# Altium PCB TinyHawk_PCB.PcbDoc (part 5 of 6) (continued)
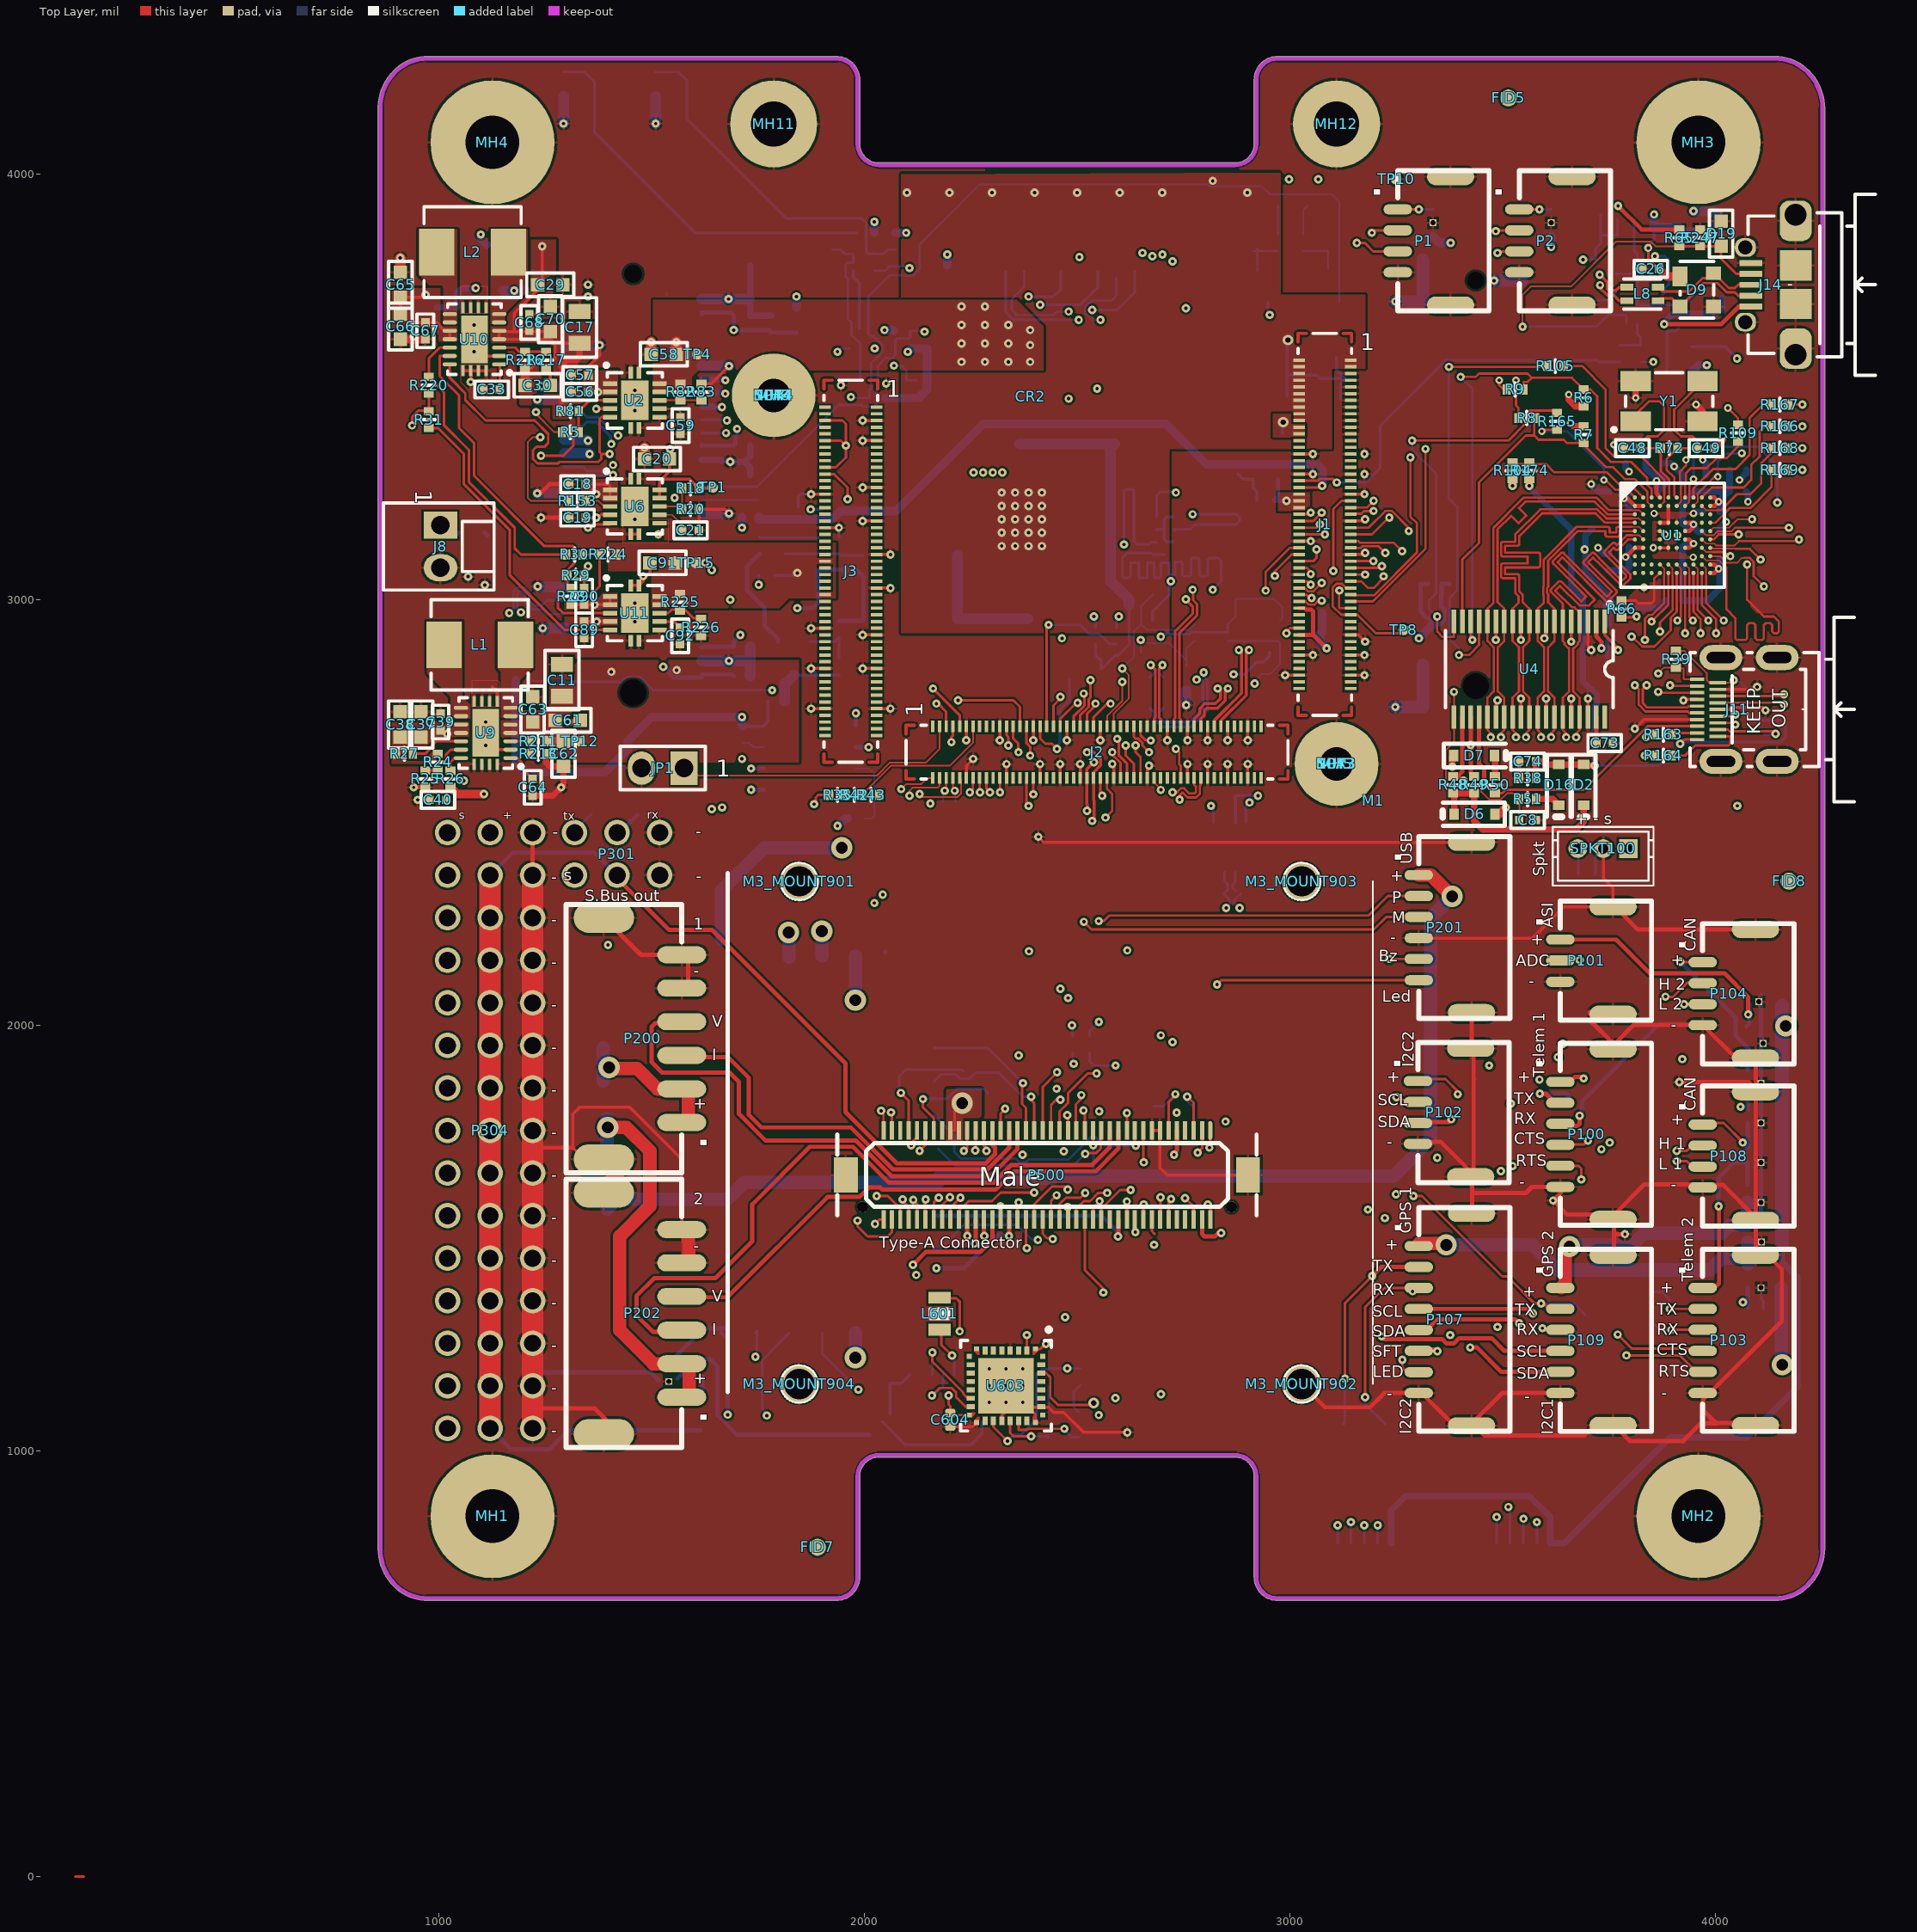
[diagram p0: Top Layer view]
## Nets (pads, with @x,y where several pads share a name; then routed paths per layer and width w, separated by ;. In a path a pad name is that pad's centre, name@x,y a point inside that pad or via, vN(x,y) a via of type N, cw(c..) or ccw(c..) an arc to the next point about the centre after c; other vN are vias at no path point) (continued)
VID_IN_CSI0_D19: J1.74 U1.J4 | length 1719
  Top Layer w3.94: U1.J4@3870.08,3082.68 3879.92,3072.83 3879.92,3057.09
  Top Layer w5.4: J1.74@3021.65,2996.06 3037.07,2996.06 3044.74,2988.39 3057.62,2988.39 3066.94,2997.71 v1(3074.8,2997.71) ; v1(3834.65,2905.51) 3834.65,2947.55 3834.85,2947.76 3834.85,2955.26 3843.96,2964.36 3851.45,2964.36 3879.92,2992.83 3879.92,3057.09
  Signal Layer 2 w5.4: v1(3074.8,2997.71) 3065.48,2988.39 3039.58,2988.39 3027.56,2976.38 3027.56,2960.63 3023.62,2956.69 3011.81,2956.69 3007.87,2960.63 3007.87,2992.13 3019.68,3003.94 3019.68,3015.75 3008.99,3026.45 3000,3026.45 2989.3,3015.75 2989.3,2949.47 2997.83,2940.94 3003.53,2940.94 3007.67,2936.8 3007.67,2905.31 3000,2897.64 2992.13,2897.64 2988.63,2894.14 2988.63,2885.38 2992.13,2881.89 3003.94,2881.89 3007.67,2878.16 3007.67,2865.94 3003.94,2862.2 2992.13,2862.2 2992.13,2861.76 2988.63,2858.27 2988.63,2849.74 3007.67,2830.71 3007.67,2819.55 2989.09,2800.97 2989.09,2771.65 2997.86,2762.89 3218.11,2762.89 3234.76,2779.53 3273.78,2779.53 3362.75,2868.5 3362.75,2887.97 3375.59,2900.82 3411.85,2900.82 3431.12,2881.54 3692.91,2881.54 3693.11,2881.74 3693.11,2888.32 3706.16,2901.37 3774.15,2901.37 3783.12,2892.4 3822.83,2892.4 3822.83,2893.7 v1(3834.65,2905.51)
VID_IN_CSI0_DE: J1.75 U1.E10 | length 1568.4
  Top Layer w3.94: U1.E10@3988.19,3161.42 3996.06,3169.29 4032.4,3169.29 4052.08,3188.98 v1(4086.61,3188.98)
  Top Layer w5.4: v1(3116.23,3021.74) 3115.84,3021.35 3115.84,2981.98 3117.51,2980.32 J1.75@3142.91,2980.32
  Signal Layer 2 w5.4: v1(3116.23,3021.74) 3116.23,3031.7 3086.82,3061.11 3086.82,3073.98 3143.51,3130.67 3617.36,3130.67 3645.67,3102.36 3770.75,3102.36 3783.34,3114.95 3795.4,3114.95 3797.04,3113.31 3834.65,3113.31 3865.28,3082.68 3891.57,3082.68 3942.01,3032.24 4092.94,3032.24 4107.74,3047.04 4137.59,3047.04 4173.23,3082.68 4173.23,3106.3 4090.55,3188.98 v1(4086.61,3188.98)
VID_IN_CSI0_HS: J1.47 U1.F9 | length 1740.6
  Top Layer w3.94: U1.F9@3968.5,3141.73 3978.35,3131.89 3998.03,3131.89 4001.09,3128.83
  Top Layer w3.97: 4001.09,3128.83 4002.52,3127.4 4045.6,3127.4 4056,3137.8
  Top Layer w5.4: J1.47@3142.91,3200.79 3144.06,3201.94 3168.14,3201.94 3174.34,3208.14 3196.33,3208.14 v1(3196.85,3208.66) ; 4056,3137.8 4056.2,3138 4193.12,3138 v1(4196.84,3141.73)
  Signal Layer 2 w5.4: v1(3196.85,3208.66) 3248.03,3259.84 3259.84,3259.84 3271.65,3248.03 3271.65,3236.22 3276.34,3231.53 3294.52,3231.53 3299.21,3236.22 3299.21,3263.78 3303.7,3268.26 3314.41,3268.26 3318.9,3263.78 3318.9,3236.22 3323.59,3231.53 3342.52,3231.53 3346.46,3235.47 3346.46,3263.78 3350.39,3267.72 3366.14,3267.72 3370.08,3263.78 3370.08,3236.22 3374.77,3231.53 3385.07,3231.53 3389.76,3236.22 3389.76,3263.78 3394.25,3268.26 3412.84,3268.26 3417.32,3263.78 3417.32,3236.22 3422.01,3231.53 3436.25,3231.53 3440.94,3236.22 3440.94,3263.78 3444.88,3267.72 3460.63,3267.72 3464.57,3263.78 3464.57,3235.47 3468.5,3231.53 3479.56,3231.53 3484.25,3236.22 3484.25,3264.33 3488.19,3268.26 3499.45,3268.26 3503.94,3263.78 3503.94,3235.47 3507.87,3231.53 3523.62,3231.53 3523.62,3244.09 3527.56,3248.03 3539.37,3248.03 3543.31,3244.09 3543.31,3231.53 3702.34,3231.53 3706.48,3235.67 3755.59,3235.67 3779.76,3259.84 3827.99,3259.84 3840.12,3247.71 3961.85,3247.71 3993.81,3215.76 4087.39,3215.76 4161.42,3141.73 v1(4196.84,3141.73)
VID_IN_CSI0_INT: J1.73 R109.1 | length 1265.8
  Top Layer w5.4: J1.73@3142.91,2996.06 3195.28,2996.06 3318.9,3119.68 v1(3318.9,3354.33) ; v2(4029.53,3450.79) 4053.15,3427.17 R109.1@4053.15,3411.42
  Signal Layer 2 w5.4: v1(3318.9,3354.33) 3334.65,3354.33 3362.2,3381.89 3585.71,3381.89 3586.49,3381.11 3960.49,3381.11 v2@4029.53,3450.15
  Signal Layer 1 w5.4: v2(4029.53,3450.79) v2@4032.27,3448.04
VID_IN_CSI0_INT_R: R109.2 U1.A7 | length 218.4
  Top Layer w5.4: U1.A7@3929.13,3240.16 3929.13,3275.59 3931.1,3277.56 3931.1,3297.24 3942.91,3309.06 3979.34,3309.06 4002.96,3332.68 4026.57,3332.68 4053.15,3359.25 R109.2@4053.15,3372.05
VID_IN_CSI0_PIXCLK: J1.43 R66.1 | length 1474.6
  Top Layer w5.4: v1(3102.36,3067.54) 3102.36,3213.27 3121.38,3232.28 J1.43@3142.91,3232.28 ; R66.1@3779.53,2958.66 3805.12,2958.66
  Signal Layer 2 w5.4: v1(3102.36,3067.54) 3131.77,3038.14 3131.77,3015.3 3120.95,3004.48 3120.95,2978.89 3055.12,2913.06 3055.12,2895.34 3080.95,2869.51 3140.13,2869.51 3156.25,2885.62 3182.03,2885.62 3190.42,2877.23 3196.85,2877.23 3248.75,2929.13 3259.84,2929.13 3267.72,2921.26 3267.72,2916.61 3200.79,2849.68 3200.79,2843.23 3209.38,2834.65 3214.72,2834.65 3287.6,2907.52 3287.6,2915.88 3296.71,2924.99 3332.79,2924.99 3354.22,2946.42 3405.07,2946.42 3414.04,2955.39 3809.72,2955.39 v1(3814.96,2960.63)
VID_IN_CSI0_PIXCLK_R: R66.2 U1.K4 | length 152.3
  Top Layer w5.4: R66.2@3779.53,2998.03 3812.99,2998.03 3818.9,2992.13 3850.39,2992.13 3856.3,2998.03 3856.3,3049.21 U1.K4@3870.08,3062.99
VID_IN_CSI0_RSTN: J1.71 U1.B6 | length 1226.1
  Top Layer w3.94: U1.B6@3909.45,3220.47 3919.29,3230.31 3919.29,3246.06
  Top Layer w5.4: J1.71@3142.91,3011.81 3144.15,3010.58 3197.91,3010.58 3299.01,3111.67 3299.01,3179.67 3283.46,3195.21 v1(3283.46,3334.65) ; 3919.29,3246.06 3919.29,3270.7 3917.32,3272.67 3917.32,3301.44 3931.1,3315.22 v2(3931.1,3328.74)
  Signal Layer 2 w5.4: v1(3283.46,3334.65) 3336.46,3334.65 3368.5,3366.69 3579.41,3366.69 3580.19,3365.91 3744.09,3365.91 3747.25,3362.75 3747.25,3358.14 3755.78,3349.61 3910.23,3349.61 v2(3931.1,3328.74)
VID_IN_CSI0_VS: J1.45 U1.E9 | length 1745.7
  Top Layer w3.94: U1.E9@3968.5,3161.42 3977.89,3152.03 3996.52,3152.03 4005.2,3160.71 4037.78,3160.71 4046.36,3169.29
  Top Layer w5.4: J1.45@3142.91,3216.54 3181.1,3216.54 v1(3196.85,3232.28) ; 4046.36,3169.29 v1(4173.23,3169.29)
  Signal Layer 2 w5.4: v1(3196.85,3232.28) 3248.03,3283.46 3267.72,3283.46 3267.72,3275.59 3271.65,3271.65 3283.46,3271.65 3287.4,3275.59 3287.4,3314.96 3291.34,3318.9 3318.9,3318.9 3322.83,3314.96 3322.83,3283.46 3342.52,3283.46 3342.52,3318.9 3346.46,3322.83 3370.08,3322.83 3374.92,3317.99 3374.92,3286.5 3377.95,3283.46 3387.95,3283.46 3393.7,3289.21 3393.7,3322.83 3409.45,3322.83 3413.39,3318.9 3413.39,3283.46 3433.07,3283.46 3437.01,3287.4 3437.01,3318.9 3440.94,3322.83 3460.63,3322.83 3464.57,3318.9 3464.57,3287.4 3468.5,3283.46 3484.25,3283.46 3484.25,3318.9 3488.19,3322.83 3500,3322.83 3503.94,3318.9 3503.94,3283.46 3519.68,3283.46 3519.68,3295.28 3523.62,3299.21 3535.43,3299.21 3539.37,3295.28 3539.37,3283.46 3569.56,3283.46 3606.3,3246.73 3696.04,3246.73 3700.19,3250.87 3749.29,3250.87 3774.01,3275.59 3833.74,3275.59 3846.42,3262.91 4079.61,3262.91 v1(4173.23,3169.29)
VIN_CTRL: Q7.4 Q10.3 R301.2 | length 186.6
  Bottom Layer w6: Q10.3@1812.99,3108.27 R301.2@1940.94,3108.27 1944.68,3104.53 Q7.4@1998.03,3104.53
VINA_3V3: C33.1 U10.1 | length 59.9
  Top Layer w6: U10.1@1141.73,3553.15 1143.7,3551.18 C33.1@1143.7,3494.09
VINA_5V: C64.1 U9.1 | length 80.4
  Top Layer w6: U9.1@1168.31,2627.95 1184.72,2627.95 1194.57,2618.11 1194.57,2604.65 C64.1@1220.47,2578.74
pads on no net: FID1.1 FID2.1 FID3.1 FID4.1 FID5.1 FID6.1 FID7.1 FID8.1 J1.25 J1.26 J1.27 J1.28 J1.31 J1.32 J1.33 J1.34 J1.37 J1.39 J1.91 J1.93 J1.97 J1.98 J1.99 J1.100 J2.1 J2.20 J2.91 J2.93 J2.97 J2.99 J3.13 J3.15 J3.17 J3.18 J3.21 J3.23 J3.24 J3.26 J3.27 J3.29 J3.30 J3.31 J3.32 J3.33 J3.34 J3.36 J3.37 J3.39 J3.40 J3.41 J3.42 J3.43 J3.44 J3.46 J3.47 J3.49 J3.51 J3.53 J3.57 J3.59 J3.61 J3.63 J3.65 J3.67 J3.81 J3.82 J3.83 J3.84 J3.85 J3.86 J3.87 J3.88 J3.89 J3.90 J3.93 J3.94 J3.95 J3.96 J3.97 J3.98 J3.99 J3.100 J13.3 J13.5 J13.7 J13.8 J13.10 J13.12 J13.14 J13.16 J13.17 J13.19 J13.42 J13.44 J13.45 J13.46 J13.47 J13.55 J13.56 J20.7 J20.8 JP400.1 JP401.1 P500.26 P500.65 P500.hole-1 P500.hole-2 PSM200.NC Q6.1 Q6.2 Q6.6 Q8.3 Q8.4 Q8.5 S600.A2 S600.B4 S601.A2 S601.B4 U1.C9 U1.C10 U1.D9 U1.H1 U1.H2 U1.J1 U1.J2 U1.J3 U1.K1 U1.K2 U1.K3 U4.38 U603.3 U603.5 U603.6 U603.7 U603.8 U603.9 U603.10 U603.11 U603.12 U603.13 U603.18 U603.23 U603.25 U603.27 U603.28 U603.29 U603.31 U603.32 USB600.GND5 USB600.GND6 USB600.ID
copper on no net: | length 19.7
  Top Layer w6: 145.67,0 165.35,0

## Polygon pours and split planes (outlines as drawn)
GND on Signal Layer 1 "NONET_L04_P162" (solid, remove dead copper, shelved, pour order 162): 817.59,4417.32 4326.77,4417.32 4326.77,618.11 789.23,618.11 789.23,1394
+5V on Signal Layer 1 "+5V_L04_P072" (solid, remove dead copper, pour order 72): 681.1,3901.57 1456.69,3901.57 1500,3858.27 1500,2704.72 1366.14,2570.87 1303.15,2507.87 641.73,2507.87 641.73,3901.57
+3V3_MPCIE on Signal Layer 1 "+3V3_MPCIE_L04_P076" (solid, remove dead copper, pour order 76): 1519.68,3321.57 1520.95,3322.83 1590.55,3322.83 1590.55,2818.9 1519.68,2818.9
+1V5_MPCIE on Signal Layer 1 "+1V5_MPCIE_L04_P078" (solid, remove dead copper, pour order 78): 1657.48,3677.17 1838.58,3677.17 1838.58,3114.17 1787.4,3062.99 1787.4,2905.51 1787.4,2901.57 1775.59,2889.76 1661.42,2889.76 1661.42,3677.17
+2V5 on Signal Layer 1 "+2V5_L04_P080" (solid, remove dead copper, pour order 80): 1787.4,3062.99 1787.4,2901.57 1944.88,2901.57 1940.94,2905.51 1940.94,3271.65 1866.14,3271.65 1866.14,3141.73 1787.4,3062.99
+3V3 on Signal Layer 1 "+3V3_L04_P082" (solid, remove dead copper, pour order 82): 3511.81,2535.43 3200.79,2535.43 3200.79,2889.76 3322.83,3011.81 3326.77,3015.75 3507.87,3015.75
GND on Signal Layer 2 "NONET_L03_P164" (solid, remove dead copper, shelved, pour order 164): 803.63,4425.2 4334.65,4425.2 4334.65,590.55 794.53,590.55
VDD_5V_IN_PROT on Top Layer "VDD_5V_IN_PROT_L01_P154" (solid, remove dead copper, pour order 154): 2232.28,1728.35 2231.58,1729.05 2231.58,1782 2270.19,1782 2275.59,1787.4 2275.59,1850.39 2188.98,1850.39 2192.91,1846.46 2192.91,1728.35
+VIN on Top Layer "+VIN_L01_P150" (solid, remove dead copper, pour order 150): 1421.26,3015.75 1421.26,2937.01 1295.28,2937.01 1295.28,3000 1299.21,3003.94 1374.02,3003.94 1385.83,3015.75 1421.26,3015.75
+VIN on Top Layer "+VIN_L01_P148" (solid, remove dead copper, pour order 148): 1334.65,3181.1 1334.65,3283.46 1421.26,3283.46 1421.26,3181.1
L1_3V3 on Top Layer "L1_3V3_L01_P146" (solid, remove dead copper, pour order 146): 952.76,3870.08 1039.37,3870.08 1043.31,3870.08 1043.31,3641.73 1015.75,3641.73 1003.94,3653.54 1003.94,3732.28 984.25,3732.28 952.76,3763.78
L2_3V3 on Top Layer "L2_3V3_L01_P144" (solid, remove dead copper, pour order 144): 1122.05,3870.08 1122.05,3645.67 1157.48,3645.67 1161.42,3649.61 1161.42,3669.29 1161.42,3677.17 1208.66,3724.41 1208.66,3870.08
GND on Top Layer "GND_L01_P142" (solid, remove dead copper, pour order 142): 1051.18,3673.23 1114.17,3673.23 1114.17,3736.22 1051.18,3736.22
GND on Top Layer "GND_L01_P140" (solid, remove dead copper, pour order 140): 1114.17,3551.18 1051.18,3551.18 1051.18,3511.81 1082.68,3480.32 1114.17,3480.32
+3V3 on Top Layer "+3V3_L01_P138" (solid, remove dead copper, pour order 138): 1216.54,3846.46 1216.54,3724.41 1161.42,3669.29 1161.42,3618.11 1200.79,3618.11 1200.79,3657.48 1200.79,3681.1 1275.59,3755.91 1275.59,3846.46
+VIN on Top Layer "+VIN_L01_P136" (solid, remove dead copper, pour order 136): 889.76,3732.28 889.76,3637.8 984.25,3637.8 988.19,3633.86 1000,3622.05 1000,3606.3 1043.31,3606.3 1043.31,3641.73 1015.75,3641.73 1011.81,3645.67 1003.94,3653.54 1003.94,3732.28
GND on Top Layer "GND_L01_P134" (solid, remove dead copper, pour order 134): 1200.79,3681.1 1200.79,3657.48 1255.91,3657.48 1358.27,3657.48 1362.2,3661.42 1366.14,3665.35 1366.14,3759.84 1267.72,3759.84 1251.97,3744.09 1251.97,3720.47 1240.16,3720.47 1208.66,3688.98
+3V3 on Top Layer "+3V3_L01_P132" (solid, remove dead copper, pour order 132): 1122.05,3637.8 1122.05,3606.3 1125.98,3602.36 1263.78,3602.36 1263.78,3570.87 1188.98,3570.87 1188.98,3460.63 1192.91,3456.69 1267.72,3456.69 1267.72,3425.2 1303.15,3425.2 1303.15,3547.24 1307.09,3551.18 1342.52,3551.18 1362.2,3570.87 1366.14,3574.8 1366.14,3653.54 1177.17,3653.54 1165.35,3641.73 1122.05,3641.73
GND on Top Layer "GND_L01_P130" (solid, remove dead copper, pour order 130): 1007.87,2716.54 1007.87,2783.46 893.7,2783.46 893.7,2716.54
GND on Top Layer "GND_L01_P128" (solid, remove dead copper, pour order 128): 1078.74,2625.98 1141.73,2625.98 1141.73,2582.68 1311.02,2582.68 1311.02,2535.43 1125.98,2535.43 1122.05,2535.43 1122.05,2539.37 1122.05,2562.99 1078.74,2562.99
GND on Top Layer "GND_L01_P126" (solid, remove dead copper, pour order 126): 1141.73,2748.03 1078.74,2748.03 1078.74,2811.02 1137.8,2811.02 1141.73,2807.09 1141.73,2775.59
L2_5V on Top Layer "L2_5V_L01_P122" (solid, remove dead copper, pour order 122): 1145.67,2720.47 1192.91,2720.47 1192.91,2811.02 1220.47,2838.58 1220.47,2948.82 1137.8,2948.82 1137.8,2838.58 1145.67,2830.71
L1_5V on Top Layer "L1_5V_L01_P124" (solid, remove dead copper, pour order 124): 1055.12,2948.82 1055.12,2771.65 1074.8,2751.97 1074.8,2720.47 1027.56,2720.47 1027.56,2767.72 1027.56,2771.65 972.44,2826.77 972.44,2948.82
+VIN on Top Layer "+VIN_L01_P090" (solid, remove dead copper, pour order 90): 1070.87,2712.6 1070.87,2677.17 988.19,2677.17 988.19,2673.23 976.38,2661.42 972.44,2657.48 925.2,2657.48 925.2,2621.44 926.33,2620.31 962.98,2620.31 988.19,2645.67 1007.87,2645.67 1007.87,2629.92 1000,2629.92 984.25,2614.17 889.76,2614.17 889.76,2712.6
GND on Top Layer "GND_L01_P094" (solid, remove dead copper, pour order 94): 1429.13,2922.2 1429.13,2871.71 1427.5,2870.08 1334.65,2870.08 1334.65,2862.2 1330.71,2858.27 1311.02,2838.58 1311.02,2805.74 1270.94,2767.01 1195.5,2767.01 1195.5,2805.74 1220.47,2830.71 1224.41,2834.65 1236.22,2834.65 1236.22,2921.26 1236.22,2948.82 1263.78,2948.82 1291.34,2921.26
GND on Top Layer "GND_L01_P098" (solid, remove dead copper, pour order 98): 1633.86,2933.07 1633.86,2866.14 1629.92,2870.08 1429.13,2870.08 1429.13,2925.2 1496.06,2925.2 1496.06,2933.07
GND on Top Layer "GND_L01_P102" (solid, remove dead copper, pour order 102): 1539.37,3188.98 1539.37,3133.86 1433.07,3133.86 1433.07,3188.98
GND on Top Layer "GND_L01_P106" (solid, remove dead copper, pour order 106): 1500,3437.01 1543.31,3437.01 1551.18,3429.13 1551.18,3409.45 1582.68,3409.45 1582.68,3370.08 1523.62,3370.08 1503.94,3350.39 1503.94,3271.65 1429.13,3271.65 1429.13,3425.2 1440.94,3437.01
GND on Top Layer "GND_L01_P104" (solid, remove dead copper, pour order 104): 1440.94,3519.68 1519.68,3519.68 1519.68,3622.05 1440.94,3622.05
+VIN on Top Layer "+VIN_L01_P100" (solid, remove dead copper, pour order 100): 1421.26,3480.32 1421.26,3539.37 1338.58,3539.37 1338.58,3480.32
+2V5 on Top Layer "+2V5_L01_P112" (solid, remove dead copper, pour order 112): 1397.64,3133.86 1397.64,3066.93 1500,3066.93 1500,2980.32 1799.21,2980.32 1822.83,3003.94 1933.07,3003.94 1933.07,3133.86
GND on Top Layer "GND_L01_P166" (solid, remove dead copper, pour order 166): 834,4338.58 4267.72,4338.58 4267.72,606.3 846.6,606.3
GND on Top Layer "GND_L01_P002" (solid, remove dead copper, pour order 2): 3856.3,3206.69 3915.35,3206.69 3946.85,3206.69 3950.79,3206.69 3950.79,3194.88 3923.23,3194.88 3915.35,3187.01 3915.35,3116.14 3923.23,3108.27 3950.79,3108.27 3950.79,3096.46 3919.29,3096.46 3856.3,3096.46 3852.36,3100.39 3852.36,3202.75
+5V on Top Layer "+5V_L01_P004" (solid, remove dead copper, pour order 4): 1196.85,2716.54 1141.73,2716.54 1141.73,2673.23 1228.35,2673.23 1228.35,2618.11 1846.46,2618.11 1846.46,2669.29 1846.46,2858.27 1330.71,2858.27 1322.83,2850.39 1318.9,2846.46 1318.9,2805.77 1259.84,2805.77 1259.84,2740.16 1196.85,2740.16
+1V8 on Top Layer "+1V8_L01_P005" (solid, remove dead copper, pour order 5): 1503.94,3484.25 1594.49,3484.25 1594.49,3523.62 1602.36,3531.5 1610.24,3539.37 2421.26,3539.37 2421.26,3641.73 2358.27,3704.72 1503.94,3704.72
GND on Top Layer "GND_L01_P110" (solid, remove dead copper, pour order 110): 3850.39,3716.54 3098.43,3716.54 3098.43,3354.33 2984.25,3354.33 2984.25,3263.78 3314.96,3263.78 3326.77,3263.78 3464.57,3401.57 3468.5,3405.51 3468.5,3562.99 3850.39,3562.99
+VIN on Top Layer "+VIN_L01_P108" (solid, remove dead copper, pour order 108): 2086.61,4000.12 2086.61,2921.26 2716.54,2921.26 2716.54,3354.33 3098.43,3354.33 3098.43,3543.31 3177.17,3543.31 3177.17,3716.54 2978.35,3716.54 2978.35,4003.94
+3V3 on Top Layer "+3V3_L01_P092" (solid, remove dead copper, pour order 92): 3047.24,3251.97 2972.44,3251.97 2972.44,3208.66 3047.24,3208.66
+3V3 on Top Layer "+3V3_L01_P096" (solid, remove dead copper, pour order 96): 2960.63,3437.01 2960.63,3381.89 3035.19,3381.89 3035.19,3437.01
GND on Bottom Layer "GND_L06_P158" (solid, remove dead copper, pour order 158): 1799.21,2850.39 1799.21,2720.47 2078.74,2720.47 2078.74,2850.39
+V_INPUT on Bottom Layer "+V_INPUT_L06_P156" (solid, remove dead copper, pour order 156): 2031.5,3086.61 1826.77,3086.61 1826.77,2944.88 1830.71,2940.94 2031.5,2940.94
GND on Bottom Layer "GND_L06_P120" (solid, remove dead copper, pour order 120): 2271.65,1216.54 2393.7,1216.54 2393.7,1090.55 2271.65,1090.55
+VIN on Bottom Layer "+VIN_L06_P046" (solid, remove dead copper, pour order 46): 2440.94,3275.59 2440.94,3000 2267.72,3000 2267.72,3145.67 2173.23,3145.67 2173.23,2897.64 2251.97,2897.64 2251.97,2700.79 2098.43,2700.79 2094.49,2704.72 2094.49,3192.91 2157.48,3255.91 2177.17,3275.59 2350.39,3275.59 2354.33,3275.59
GND on Bottom Layer "GND_L06_P160" (solid, remove dead copper, pour order 160): 4271.65,4346.46 4271.65,590.55 819,590.55 819,4346.46
VDD_SERVO on Bottom Layer "VDD_SERVO_L06_P048" (solid, remove dead copper, pour order 48): 1291.34,2165.35 1377.95,2251.97 1515.75,2251.97 1515.75,2401.57 1421.26,2401.57 1370.08,2350.39 1370.08,2307.09 1232.28,2307.09 1137.8,2401.57 972.44,2401.57 969.98,996.06 1645.67,999.25 1645.67,1109.9 1291.34,1110.24
GND on Bottom Layer "GND_L06_P010" (solid, pour order 10): 4095.06,1037.57 4095.06,1113.22 3877.78,1113.22 3875.63,1115.58 3874.55,1116.76 3874.55,1214.87 3841.21,1214.87 3841.21,1191.23 3839.06,1191.23 3836.91,1188.86 3845.51,1179.41 3845.51,1041.12
GND on Bottom Layer "GND_L06_P044" (solid, pour order 44): 3763,1229 3763,1279 3794,1279 3808,1293 3808.25,1295 3808.25,1328 3824.88,1342 3988.75,1342 4003,1330 4003,1301 3993.5,1293 3911,1293 3917,1274.25 3872.28,1229.53 3827,1229
+3V3_TVDD on Bottom Layer "+3V3_TVDD_L06_P006" (solid, pour order 6): 3805.12,3222.44 3805.12,3155.51 3742.13,3155.51 3742.13,3222.44 3805.12,3222.44
GND on Bottom Layer "GND_L06_P007" (solid, pour order 7): 3978.35,3104.33 3978.35,3041.34 3958.66,3041.34 3942.91,3057.09 3942.91,3100.39 3950.79,3108.27 3978.35,3108.27 3978.35,3104.33
GND on Bottom Layer "GND_L06_P009" (solid, pour order 9): 3891.73,3033.46 3891.73,3135.83 3899.61,3143.7 3903.54,3143.7 3915.35,3143.7 3919.29,3147.64 3919.29,3155.51 3915.35,3159.45 3899.61,3159.45 3891.73,3167.32 3891.73,3238.19 3860.24,3238.19 3848.43,3250 3848.43,3273.62 3828.74,3273.62 3828.74,3206.69 3828.74,3057.09 3816.93,3045.28 3809.05,3045.28 3805.12,3045.28 3789.37,3029.53 3789.37,3025.59 3789.37,2998.03 3836.61,2998.03 3860.24,3021.65 3879.92,3021.65
+3V3_MPCIE on Bottom Layer "+3V3_MPCIE_L06_P114" (solid, remove dead copper, pour order 114): 1224.41,3295.28 1129.92,3295.28 1129.92,3606.3 1086.61,3649.61 1086.61,3673.23 1086.61,3704.72 1220.47,3704.72 1220.47,3574.8 1381.89,3574.8 1385.83,3578.74 1515.75,3708.66 1515.75,3763.78 1673.23,3763.78 1673.23,3807.09 1712.6,3807.09 1712.6,3724.41 1566.93,3724.41 1559.06,3716.54 1527.56,3685.04 1527.56,3322.83 1527.56,3314.96 1531.5,3311.02 1673.23,3311.02 1696.85,3311.02 1708.66,3299.21 1708.66,3275.59 1566.93,3275.59 1566.93,3224.41 1507.87,3224.41 1437.01,3295.28
+5V_MPCIE on Bottom Layer "+5V_MPCIE_L06_P116" (solid, remove dead copper, pour order 116): 1334.65,3681.1 1334.65,3787.4 1330.71,3791.34 1094.49,3791.34 1094.49,3755.91 1236.22,3755.91 1236.22,3700.79 1255.91,3681.1
+V_INPUT on Bottom Layer "+V_INPUT_L06_P118" (solid, remove dead copper, pour order 118): 960.63,3181.1 960.63,3118.11 1669.29,3118.11 1669.29,2984.25 1716.54,2984.25 1716.54,3133.86 1712.6,3137.8 1669.29,3181.1 1657.48,3181.1 1165.35,3181.1 1165.35,3211.69 960.63,3211.69
+1V8 on Power "+1V8_L05_P054" (solid, pour order 54): 3667.32,3013.78 3742.13,3013.78 3781.5,3053.15 3840.55,3112.2 3998.03,3269.68 4057.09,3269.68 4057.09,3297.24 4025.59,3328.74 3722.44,3328.74 3722.44,3092.52 3702.76,3072.83 3643.7,3072.83 3643.7,3037.4
+V_INPUT on Power "+V_INPUT_L05_P050" (solid, remove dead copper, pour order 50): 1649.61,3019.68 1649.61,2889.76 1948.82,2889.76 1948.82,3019.68
+VIN on Power "+VIN_L05_P056" (solid, remove dead copper, pour order 56): 818.9,2661.42 1322.83,2661.42 1322.83,2807.09 1389.76,2874.02 1389.76,2913.39 1389.76,3555.12 1125.98,3555.12 996.06,3685.04 992.13,3688.98 992.13,3732.28 992.13,3775.59 1118.11,3901.57 1133.86,3917.32 2901.57,3917.32 2905.51,3917.32 2996.06,4007.87 3188.98,4007.87 3188.98,4003.94 3200.79,3992.13 3799.21,3992.13 3976.38,3992.13 3988.19,3980.32 3988.19,3629.92 3988.19,3606.3 4094.49,3500 4240.16,3500 4283.46,3500 4283.46,4500 830.71,4500 826.77,4503.94
+5V_USB_OTG on Power "+5V_USB_OTG_L05_P058" (solid, remove dead copper, pour order 58): 3901.57,3989.47 3901.57,3863.49 3901.57,3641.73 3795.28,3641.73 3795.28,3989.47
+5V on Power "+5V_L05_P060" (solid, remove dead copper, pour order 60): 3795.75,3992.13 3976.38,3992.13 3988.19,3980.32 3988.19,3606.3 4094.49,3500 4243.81,3500 4299.21,3500 4299.21,2492.13 2956.69,2492.13 2948.82,2500 2948.82,2673.23 2948.82,2854.33 2086.61,2854.33 2070.87,2854.33 2019.68,2803.15 1543.31,2803.15 1543.31,2858.27 1614.17,2858.27 1614.17,2996.06 2421.26,2996.06 2480.32,2937.01 2511.81,2905.51 3374.02,2905.51 3374.02,3299.21 3381.89,3307.09 3578.74,3307.09 3578.74,3114.17 3677.17,3015.75 3744.09,3015.75 3787.4,3059.06 3801.18,3072.83
+1V5 on Power "+1V5_L05_P064" (solid, remove dead copper, pour order 64): 1870.08,3594.49 1870.08,3744.09 1578.74,3744.09 1389.76,3555.12 1389.76,3271.65 1795.28,3271.65 1870.08,3346.46
+3V3 on Power "+3V3_L05_P066" (solid, remove dead copper, pour order 66): 1133.86,3917.32 2905.51,3917.32 2996.06,4007.87 3291.24,4007.87 3799.21,4007.87 3799.21,3987.53 3799.21,3089.32 3611.46,3089.32 3586.61,3114.17 3578.74,3114.17 3578.74,3307.09 3570.87,3299.21 3374.02,3299.21 3374.02,2905.51 2511.81,2905.51 2425.2,2992.13 1610.24,2992.13 1610.24,2803.15 2019.68,2803.15 2070.87,2854.33 2948.82,2854.33 2948.82,2452.76 1606.3,2452.76 1531.5,2527.56 1456.69,2527.56 1322.83,2661.42 1322.83,2807.09 1389.76,2874.02 1393.01,2877.26 1393.01,3271.65 1799.21,3271.65 1870.08,3342.52 1870.08,3346.46 1870.08,3744.09 1578.74,3744.09 1392.06,3557.41 1389.76,3555.12 1125.98,3555.12 996.06,3685.04 992.13,3688.98 992.13,3775.59
+1V8 on Power "+1V8_L05_P062" (solid, remove dead copper, pour order 62): 3759.84,3156.2 3715.26,3156.2 3712.6,3153.54 3712.6,3098.43 3657.48,3098.43 3653.54,3102.36 3629.92,3125.98 3629.92,3673.23 2586.61,3673.23 2570.87,3688.98 2535.43,3724.41 2185.04,3724.41 2185.04,3531.5 2188.98,3535.43 3578.74,3535.43 3578.74,3114.17 3677.17,3015.75 3744.09,3015.75 3759.84,3031.5
VDD_3V3_SPEKTRUM on Power "VDD_3V3_SPEKTRUM_L05_P068" (solid, remove dead copper, pour order 68): 1594.49,2440.94 1594.49,2259.84 3850.39,2259.84 3862.2,2271.65 3858.27,2275.59 3858.27,2492.13 1645.67,2492.13
VDD_5V_PERIPH on Power "VDD_5V_PERIPH_L05_P070" (solid, remove dead copper, pour order 70): 1854.33,2259.84 1854.33,2082.68 3141.73,2082.68 3165.35,2059.06 3358.27,1866.14 4287.4,1866.14 4287.4,2492.13 4279.53,2500 4275.59,2503.94 3846.46,2503.94 3846.46,2271.65 3842.52,2267.72 3834.65,2259.84 1854.33,2259.84
VDD_5V_HIPOWER on Power "VDD_5V_HIPOWER_L05_P084" (solid, remove dead copper, pour order 84): 4243.81,1866.14 4243.81,626.27 4244.09,625.98 2212.6,625.98 2212.6,1673.23 2295.28,1755.91 2303.15,1763.78 2303.15,1909.45 2027.56,1909.45 1854.33,2082.68 3141.73,2082.68 3353.27,1871.14 3358.27,1866.14 4243.81,1866.14
VDD_5V_IN_PROT on Power "VDD_5V_IN_PROT_L05_P086" (solid, remove dead copper, pour order 86): 2303.15,1909.45 2303.15,1764.74 2212.6,1674.19 2212.6,1672.99 2212.6,964.57 2027.56,779.53 2027.56,539.37 1484.25,539.37 1484.25,2082.68 1862.2,2082.68 1866.14,2086.61 2027.56,1925.2 2027.56,1909.45
VDD_SERVO on Power "VDD_SERVO_L05_P088" (solid, remove dead copper, pour order 88): 1484.25,661.7 1480.6,665.35 653.54,665.35 653.54,2661.42 862.2,2661.42 1326.08,2661.42 1455.31,2532.19 1455.31,2528.94 1530.12,2528.94 1531.5,2527.56 1594.49,2464.57 1594.49,2430.9 1594.49,2262.74 1600.63,2256.6 1854.33,2256.6 1854.33,2086.28 1850.73,2082.68 1484.25,2082.68
GND on Ground (split plane): 4236.95,4155.12 4236.91,4154.72 4236.89,4154.72 4236.94,4155.29
GND on Ground (split plane): 248 vertices, not listed, extent 877.23,668.57 4236.94,4256.63

## Keep-outs
Keep-Out Layer:
  lines w10: 862.2,4154.72 cw(c982.92,4154.72) 897.56,4240.08 cw(c973.79,4163.85) 973.79,4271.65 1875.2,4271.65 1934.25,4271.65 cw(c1934.25,4221.65) 1984.25,4221.65 1984.25,4090.55 ; 862.2,4157.48 862.2,4021.65 862.2,990.16 862.2,770.47 ccw(c982.92,770.47) 897.56,685.12 ccw(c973.79,761.34) 973.79,653.54 1875.2,653.54 1934.25,653.54 ccw(c1934.25,703.54) 1984.25,703.54 1984.25,893.7 1984.25,940.16 cw(c2034.25,940.16) 2034.25,990.16 2871.26,990.16 cw(c2871.26,940.16) 2921.26,940.16 2921.26,703.54 ccw(c2971.26,703.54) 2971.26,653.54 4140.39,653.54 ccw(c4140.39,761.34) 4216.61,685.12 ccw(c4131.26,770.47) 4251.97,770.47 4251.97,990.16 4251.97,4021.65 4251.97,4153.54 ; 1984.25,746.12 1984.25,841.95 ; 1984.25,4118.11 1984.25,4071.65 ccw(c2034.25,4071.65) 2034.25,4021.65 2871.26,4021.65 ccw(c2871.26,4071.65) 2921.26,4071.65 2921.26,4118.11 2921.26,4221.65 cw(c2971.26,4221.65) 2971.26,4271.65 4140.39,4271.65 cw(c4140.39,4163.85) 4216.61,4240.08 cw(c4131.26,4154.72) 4251.97,4154.72
Mechanical 1:
  lines w10: 862.2,4154.72 cw(c982.92,4154.72) 897.56,4240.08 cw(c973.79,4163.85) 973.79,4271.65 1875.2,4271.65 1934.25,4271.65 cw(c1934.25,4221.65) 1984.25,4221.65 1984.25,4090.55 ; 862.2,4157.48 862.2,4021.65 862.2,990.16 862.2,770.47 ccw(c982.92,770.47) 897.56,685.12 ccw(c973.79,761.34) 973.79,653.54 1875.2,653.54 1934.25,653.54 ccw(c1934.25,703.54) 1984.25,703.54 1984.25,893.7 1984.25,940.16 cw(c2034.25,940.16) 2034.25,990.16 2871.26,990.16 cw(c2871.26,940.16) 2921.26,940.16 2921.26,703.54 ccw(c2971.26,703.54) 2971.26,653.54 4140.39,653.54 ccw(c4140.39,761.34) 4216.61,685.12 ccw(c4131.26,770.47) 4251.97,770.47 4251.97,990.16 4251.97,4021.65 4251.97,4153.54 ; 1984.25,746.12 1984.25,841.95 ; 1984.25,4118.11 1984.25,4071.65 ccw(c2034.25,4071.65) 2034.25,4021.65 2871.26,4021.65 ccw(c2871.26,4071.65) 2921.26,4071.65 2921.26,4118.11 2921.26,4221.65 cw(c2971.26,4221.65) 2971.26,4271.65 4140.39,4271.65 cw(c4140.39,4163.85) 4216.61,4240.08 cw(c4131.26,4154.72) 4251.97,4154.72